# Allegro board rt1064_brkout_new_mem_layout.brd (continued)
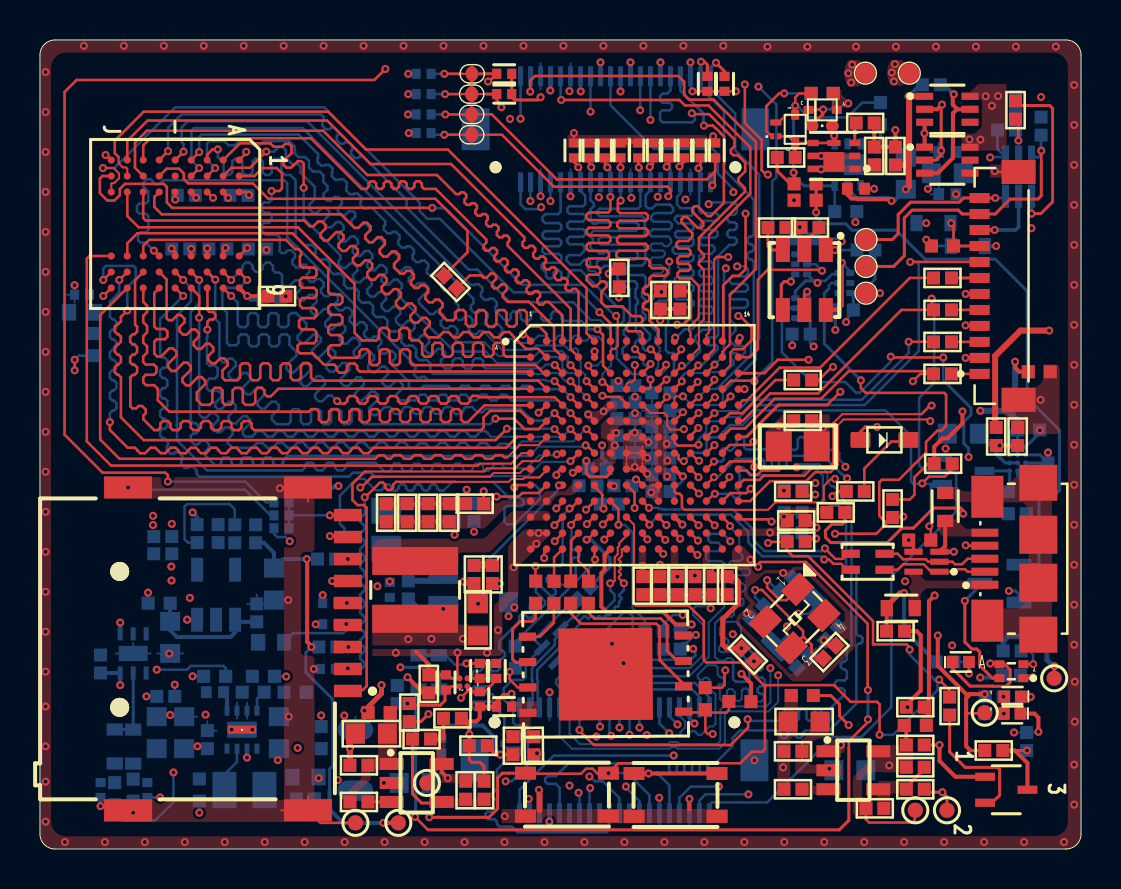
[diagram p0: board, top side]
## Routing (per net, layer and track width the routed paths; a pad name or vN(x,y) marks a point on that pad's centre or on a via; arc(x,y) is an arc through that point) (continued)
VDD_SOC_IN: length 2.2
  TOP w0.127: U7.G9 30.97,20.61 ; 31.03,19.8 31.03,19.81 U7.H9
  BOTTOM w0.09: 14.74,18.16 v1(14.94,18.16)
  BOTTOM w0.2: 14.74,18.16 14.63,18.05 C47.1 ; C42.1 31.36,20.96 v1(31.36,20.27)
  vias: v1(21.35,17.98) v1(28.83,20.82) v1(28.77,20.19) v1(31.4,19.43) v1(31.38,18.64) v1(36.99,21.18)
VDD_USB_3V: length 1.9
  TOP w0.127: U7.K8 30.15,18.23 29.89,18.49 v1(29.82,18.49)
  BOTTOM w0.2: v1(29.82,18.49) 29.77,18.44 29.77,18.32 C107.1 ; v1(23.45,11.64) C106.1 23.7,12.09 v1(23.73,12.09)
VDDA_1V1_CAP: length 0.4
  TOP w0.2: C56.1 31.9,13.68 31.76,13.82
  BOTTOM w0.2: 31.74,13.71 31.82,13.63 v1(31.9,13.63)
VDDA_2V5_CAP:
  vias: v1(30.16,14.15)
VDDA_ADC_3V3: length 1
  BOTTOM w0.102: C39.1 37.23,16.83 C1.1
  BOTTOM w0.2: 37.24,15.83 C39.1
  vias: v1(36.53,15.83) v1(37.23,16.63)
DBG_UART1_RXD: length 15.3
  TOP w0.127: 50.11,34.32 v1(50.11,34.93)
  TOP w0.147: 50.11,34.32 50.11,32.68 49.94,32.52 48.55,32.52 47.8,31.77 J4.11
  TOP w0.15: J4.11 46.15,31.77 45.96,31.96 43.65,31.96 43.25,31.57 43.25,29.68 42.72,29.14 TP4.1
  BOTTOM w0.127: 50.09,34.95 v1(50.11,34.93)
  BOTTOM w0.147: U16.6 49.97,34.61 50.09,34.73 R109.1
DBG_UART1_TXD: length 8.4
  TOP w0.147: v1(47.8,32.57) J4.12
  TOP w0.15: TP5.1 42.65,30.49 42.95,30.78 42.95,31.74 43.56,32.36 46,32.36 46.21,32.57 J4.12
  BOTTOM w0.147: v1(47.8,32.57) 48.23,32.57 U16.3
DC_5V_IN: length 5.9
  POWER w0.127: 47.38,9.63 47.39,9.63
  BOTTOM w0.127: v1(28.59,5.66) 28.5,5.75 J6.19 ; J6.23 v1(29.5,5.72) ; J6.31 31.5,6.64 v1(31.9,6.23)
  BOTTOM w0.18: J6.35 32.5,6.55 32.55,6.5 32.55,6.48 v1(32.75,6.28)
  BOTTOM w0.2: R3.1 48.05,8.58 v1(47.05,8.58)
  vias: v1(27.84,5.62) v1(30.37,5.7) v1(39.09,34.67) v1(39.09,34) v1(42.63,38.85) v1(42.73,38.4) v1(42.78,39.27)
DCDC_3V3: length 48.3
  TOP w0.127: R34.1 22.83,8.45 22.25,7.87 C31.1 21.66,7.87 U5.A1 21.39,7.89 v1(21.06,7.56) ; J4.2 v1(46.32,24.57) ; 46.35,6.79 47.25,6.79 TP9.1 ; R49.1 44.44,19.27 43.76,18.59 43.76,17.72 43.53,17.49 R48.1 ; 46.2,16.93 v1(46.2,16.77)
  TOP w0.131: v1(1.74,24.47) v1(1.74,23.95)
  TOP w0.147: R107.1 48.96,36.37 v1(48.96,35.44)
  TOP w0.15: FB1.1 40.27,16.37 40.15,16.24 39.62,16.24 39.31,15.93 39.31,15.6 39.57,15.33 42.41,15.33 43.06,15.98 43.07,15.98 43.14,16.05 43.7,16.05 44.71,17.06 46.07,17.06 46.2,16.93
  TOP w0.16: FB5.1 32.4,27.92 32.56,27.76 32.56,26.61 32.18,26.23 v1(31.88,26.23) ; R45.1 46.57,4.93
  TOP w0.2: v1(28.46,28.78) 28.7,29.02 FB4.1 ; 46.55,7.75 46.35,7.75 44.93,9.17 v1(44.93,10.68) ; 46.55,7.75 46.35,7.55 46.35,5.15 46.57,4.93 ; 46.55,7.75 v1(47.28,7.75) ; R49.1 44.75,20.12 45.17,20.55 45.42,20.55 46.16,21.29 v1(46.16,21.89)
  TOP w0.25: v1(17.09,8.2) 17.09,7.78 v1(16.24,6.92)
  POWER w0.15: v1(38.72,25.14) 38.72,26.34 38.71,26.34
  POWER w0.16: 46.88,30.16 46.89,30.17
  POWER w0.3: 46.89,30.17 v1(47.85,30.17) ; v1(46.32,24.57) 46.33,24.57 46.33,24.57
  BOTTOM w0.127: v1(12.5,15.39) 12.29,15.6 11.88,15.6 11.71,15.77 R77.1
  BOTTOM w0.131: v1(1.74,24.47) 1.94,24.68 L4.1
  BOTTOM w0.147: R56.1 v1(18.46,35.82) ; R57.1 v1(18.42,36.75) ; R59.1 v1(18.43,38.78) ; R58.1 v1(18.43,37.77)
  BOTTOM w0.15: R116.1 41.79,28.51 41.09,27.81 U21.6 40.7,27.66 C128.1 ; 40.72,26.95 C128.1 ; C128.1 40.7,26.85 40.34,26.49 v1(40.34,26.36) ; U22.6 38.54,26.4 C127.1 38.54,25.32 v1(38.72,25.14)
  BOTTOM w0.18: D12.A v1(47.85,30.17)
  vias: v1(11.9,4.45) v1(12.9,5.06) v1(16.89,13.14) v1(35.73,9.39) v1(38.02,31.11)
DCDC_3V3_PG: length 16
  SIG1 w0.127: v1(7.36,11.47) 7.25,11.36 7.25,4.94 7.45,4.73 10.2,4.73 v1(10.36,4.57) 10.36,4.67 11.24,5.56 12.94,5.56 v1(14.07,6.69)
  BOTTOM w0.127: U1.6 v1(10.36,4.57) ; R23.2 v1(14.07,6.69)
  BOTTOM w0.2: U4.3 v1(7.36,11.47)
DCDC_OUT: length 2.7
  BOTTOM w0.15: R40.2 20.74,15.86 20.75,15.86 v1(20.75,15.72) ; v1(20.18,12.01) 20.04,11.87
  BOTTOM w0.3: C67.1 19.08,11.87 20.04,11.87
  vias: v1(18.43,10.5) v1(19.59,10.51) v1(21.16,10.52)
ENET_INT: length 40.9
  TOP w0.127: 44.57,23.77 44.43,23.91 40.47,23.91 39.09,22.53 36.76,22.53 35.27,21.03 34.56,21.03 34.4,20.86 ; 44.57,23.77 44.05,23.77 v1(43.68,23.4) ; 44.57,23.77 R113.1 ; 34.37,20.86 34.15,20.63 34.15,20.62 ; U7.G13 34.15,20.62 ; 34.15,20.62 34.4,20.86 ; 34.4,20.86 34.39,20.86
  SIG1 w0.127: v1(35.45,2.74) 35.45,2.96 38.39,5.9 38.83,5.9 42.8,9.87 42.8,22.52 v1(43.68,23.4)
  BOTTOM w0.127: J6.38 33,2.43 33.31,2.74 v1(35.45,2.74)
ENET_RST: length 47.9
  TOP w0.127: U7.F14 34.97,21.43 35.17,21.43 36.54,22.79 38.93,22.79 43.11,26.97 R111.1 44.62,27.06 v1(44.62,27.54)
  BOTTOM w0.127: J6.40 33.5,2.2 33.63,2.33 36.39,2.33 39.66,5.6 41.11,5.6 42.61,7.1 42.61,13.64 45.81,16.84 45.81,16.94 45.85,16.98 45.85,18.73 45.63,18.95 44.24,18.95 43.99,19.2 43.99,22.57 44.75,23.32 44.75,27.41 v1(44.62,27.54)
FLASH_VCC: length 9.6
  TOP w0.127: 35.2,8.66 v1(35.1,8.76)
  TOP w0.2: R97.1 35.58,8.28 35.2,8.66 ; C113.1 22.84,4.72 v1(23.04,4.72) FB8.2
  POWER w0.2: v1(43.29,13.39) 43.04,13.64 42.67,13.64
  POWER w0.3: v1(35.1,8.76) 35.1,8.18
  BOTTOM w0.127: 38.78,18.3 v1(38.8,18.31)
  BOTTOM w0.2: v1(23.04,4.72) 22.71,5.04 22.71,5.61 22.15,6.17 20.3,6.17 20.09,5.96 L11.2
  BOTTOM w0.25: 38.78,18.3 38.39,18.3 38.14,18.05 FB7.1
  vias: v1(45.64,10.19)
FLEXSPI_CLK: length 5.7
  TOP w0.127: v1(26.5,17.03) 26.52,17.06 26.58,17.06 26.93,17.41 U7.L4 ; v1(24.8,14.15) 24.8,13.41 R105.1
  SIG1 w0.127: 26.54,17.06 26.52,17.06 v1(26.5,17.03)
  BOTTOM w0.127: v1(26.5,17.03) 26.15,16.69 26.15,14.28 26.03,14.15 v1(24.8,14.15)
FLEXSPI_DATA0: length 1.8
  TOP w0.127: 25.72,13.4 R100.2 25.73,14.58 U7.P3
FLEXSPI_DATA1: length 2.6
  TOP w0.127: U7.N4 26.57,15.43 26.57,15.06 R102.2
FLEXSPI_DATA2: length 1.8
  TOP w0.127: R103.2 27.45,13.89 26.95,14.4 U7.P4
FLEXSPI_DATA3: length 6.5
  TOP w0.127: U7.P5 27.75,14.51 v1(27.78,14.48)
  BOTTOM w0.127: R104.2 23.87,10.24 23.87,10.43 27.78,14.34 v1(27.78,14.48)
FLEXSPI_SS0: length 18.1
  TOP w0.127: v1(25.84,17.04) 25.86,17.06 25.86,17.06 26.15,17.35 U7.L3 ; v1(34.29,8.94) 34.26,8.9 34.26,8.21 34.12,8.07 R101.1
  SIG1 w0.127: v1(25.84,17.04) 25.84,17.06 26.22,17.45 28.75,17.45 29.72,16.48 29.72,13.71 30.84,12.58 30.84,9.07 30.97,8.94 v1(34.29,8.94)
GPANAIO: length 0.4
  TOP w0.09: U7.N10 31.77,15.81 31.78,15.8
  TOP w0.127: 31.78,15.8 32.04,15.54 v1(32.04,15.52)
GPIO_AD_B0_00: length 28.9
  TOP w0.09: R48.2 43.1,16.59 43.14,16.63 v1(43.19,16.63)
  TOP w0.127: v1(36.61,16.38) 36.5,16.5 35.08,16.5 34.97,16.61 U7.M14 ; 42.32,16.34 42,16.66 42,18.35 42.13,18.47 42.98,18.47 44.34,19.83 44.34,20.36 44.9,20.92 45.1,20.92 45.34,21.17 45.34,22.73 45.25,22.82 41.32,22.82 41.08,23.07 v1(41.08,23.45) ; v1(39.78,15.77) 41.85,15.77 R48.2
  TOP w0.15: 42.32,16.34 42.32,16.24
  POWER w0.147: v1(39.78,15.77) 39.75,15.74 39.49,15.74 39.26,15.97 39.26,16.24 39.02,16.47 38.69,16.47 38.4,16.18 36.86,16.18 36.66,16.38 v1(36.61,16.38)
  BOTTOM w0.127: U21.2 39.6,28.31 39.48,28.19 39.48,28.03
  BOTTOM w0.15: 39.48,28.03 39.25,27.8 39.25,25.28 v1(41.08,23.45)
GPIO_AD_B0_01: length 22.8
  TOP w0.127: v1(44.5,16.15) 44.58,16.08 R87.2 ; v1(32.22,19.4) 32.21,19.4 32.2,19.39 32.08,19.39 31.95,19.52 31.95,19.7 31.84,19.81 U7.H10 ; v1(44.15,18.29) 44.49,18.63 45.28,18.63 45.65,19 R49.2
  BOTTOM w0.127: 44.12,18.27 43.71,18.27 43.59,18.39 43.59,20.67 42.31,21.94 35.89,21.94 35.15,21.21 34.53,21.21 33.92,20.6 33.59,20.6 33.36,20.37 33.36,19.97 33.2,19.82 32.63,19.82 v1(32.22,19.4) ; 44.12,18.27 44.7,18.27 ; 44.12,18.27 v1(44.15,18.29) ; 44.7,18.27 Q5.2 ; 44.7,18.27 44.58,18.14 44.58,16.22 v1(44.5,16.15)
GPIO_AD_B0_02: length 0.6
  TOP w0.127: U7.M11 v1(32.96,16.2)
GPIO_AD_B0_03: length 43.9
  TOP w0.127: v1(42.57,24.63) 42.62,24.59 v1(45.2,24.59) ; v1(32.94,21.07) 32.55,20.67 U7.G11
  SIG1 w0.127: v1(46.47,19.61) 44.5,19.61 43.36,20.76 43.36,22.46 44.12,23.23 44.12,23.73 43.93,23.92 43.6,23.92 42.14,22.46 39.09,22.46 38.85,22.7 38.85,24.74 38.87,24.75 38.88,24.75 39.11,24.98 39.11,25.31 38.88,25.53 38.56,25.53 38.33,25.31 38.33,24.95 37.48,24.1 37.48,22.63 36.98,22.14 35.26,22.14 35.25,22.13 34.85,22.13 34.13,21.42 33.29,21.42 v1(32.94,21.07)
  BOTTOM w0.127: v1(45.2,24.59) 45.2,23.45 45.33,23.32 ; U22.2 37.25,27.06 37.13,26.94 37.13,24.85 38.62,23.36 40.3,23.36 40.83,22.84 41.03,22.84 42.57,24.38 v1(42.57,24.63)
  BOTTOM w0.15: v1(46.47,19.61) 46.47,20.05 46.23,20.29 46.23,21.37 46.59,21.72 46.59,22.07 45.33,23.32
GPIO_AD_B0_04: length 23.8
  TOP w0.102: JMP1.7 22.01,38.78
  TOP w0.127: U7.F11 v1(32.96,21.81)
  TOP w0.147: v1(22.42,38.4) 22.47,38.4 R72.2 22.01,38.78
  SIG1 w0.127: 24.67,33.99 30.63,28.02 30.63,25.69 30.95,25.37 30.95,24.83 30.94,24.83 30.94,23.34 30.96,23.32 30.96,23.32 31.19,23.09 31.46,23.09 31.52,23.03 31.53,23.03 31.76,22.8 31.76,22.5 32.01,22.24 32.47,22.24 32.9,21.81 v1(32.96,21.81) 33,21.81
  SIG1 w0.15: v1(22.42,38.4) 22.41,38.38 22.41,36.25 24.67,33.99
  BOTTOM w0.127: v1(32.96,21.81) 32.96,21.79
GPIO_AD_B0_05: length 37.7
  TOP w0.102: 22.36,37.77 JMP1.5
  TOP w0.127: 39.39,22.22 v1(40.05,22.87) ; U7.G14 34.97,20.63 35.36,20.63 ; v1(23.09,37.11) 23.09,37.22 22.86,37.46 R73.2
  TOP w0.147: R73.2 22.36,37.77
  TOP w0.15: 39.39,22.22 36.96,22.22 35.36,20.63
  SIG1 w0.127: v1(40.05,22.87) 40,22.82 39.44,22.82 39.12,23.15 39.12,24.63 39.36,24.88 39.36,25.41 38.99,25.79 38.76,25.79 37.05,27.5 37.05,28.46 36.95,28.56 36.95,28.88 37.05,28.97 37.05,34.15 32.6,38.6 24.58,38.6 v1(23.09,37.11)
GPIO_AD_B1_04: length 40.5
  TOP w0.09: U7.L12 33.37,17.43 33.38,17.43
  TOP w0.127: v1(35.41,6.5) 35.44,6.47 35.44,6.08 34.56,5.2 27.75,5.2 27.72,5.23 27.68,5.23 27,5.91 v1(27,5.96) ; 33.38,17.43 33.73,17.77 v1(33.77,17.77)
  BOTTOM w0.102: 39.17,17.5 39.17,18.67 38.83,19.01 38.41,19.01 38.09,18.69
  BOTTOM w0.11: 37.97,18.69 38.09,18.69
  BOTTOM w0.127: v1(33.77,17.77) 34.56,17.77 34.76,17.57 34.92,17.57 35.03,17.68 35.03,17.84 34.83,18.04 34.83,18.2 35.01,18.38 35.01,18.73 34.88,18.87 34.88,18.99 34.99,19.1 35.15,19.1 35.57,18.69 36.73,18.69 36.74,18.69 37.96,18.69 37.97,18.69 ; v1(35.41,6.5) 35.5,6.41 37.11,6.41 37.22,6.52 37.22,6.89 37.33,7 37.49,7 37.6,6.89 37.6,6.52 37.71,6.41 37.87,6.41 37.98,6.52 37.98,6.89 38.09,7 38.25,7 38.36,6.89 38.36,6.52 38.47,6.41 38.63,6.41 38.74,6.52 38.74,6.89 38.85,7 39.01,7 39.12,6.89 39.12,6.52 39.23,6.41 39.49,6.41 39.62,6.54 39.62,7.11 39.85,7.34 39.86,7.34 40.27,7.74 40.27,7.92 40.14,8.05 39.9,8.05 39.78,8.16 39.78,8.32 39.9,8.43 40.27,8.43 40.38,8.54 40.38,8.88 40.27,8.99 40.19,8.99 40.08,9.11 40.08,9.26 40.19,9.38 40.27,9.38 40.38,9.49 40.38,10 40.6,10.22 40.6,13.72 40.34,13.98 40.34,16.78 39.94,17.18 39.5,17.18 39.17,17.5 ; J6.13 v1(27,5.96)
GPIO_AD_B1_05: length 40.6
  TOP w0.127: v1(33.73,18.6) 33.73,18.6 33.35,18.23 U7.K12
  SIG1 w0.127: v1(40.39,18.54) 40.39,18.29 40.15,18.06 39.69,18.06 39.51,18.23 39.34,18.23 39.2,18.1 39.2,17.46 39.08,17.34 38.44,17.34 38.31,17.2 38.31,17.04 38.44,16.91 40.01,16.91 40.14,16.78 40.14,16.6 40.01,16.47 39.42,16.47 39.29,16.35 39.29,15.7 39.82,15.17 39.99,15.17 40.12,15.04 40.12,14.8 40,14.69 39.8,14.69 39.69,14.58 39.69,14.42 39.8,14.31 40,14.31 40.12,14.2 40.12,14.04 40,13.93 39.8,13.93 39.69,13.81 39.69,13.66 39.8,13.55 40,13.55 40.12,13.43 40.12,13.28 40,13.16 39.8,13.16 39.69,13.05 39.69,12.92 39.8,12.81 40.03,12.81 40.14,12.7 40.14,12.54 40.03,12.43 39.8,12.43 39.69,12.32 39.69,12.16 39.8,12.05 40.03,12.05 40.14,11.94 40.14,11.78 40.03,11.67 39.8,11.67 39.69,11.56 39.69,10.37 39.62,10.31 39.62,10.29 39.39,10.06 39.37,10.06 37.6,8.29 31.62,8.29 31.51,8.4 31.13,8.4 31.02,8.29 29.68,8.29 28.03,6.64 v1(28.03,6.12)
  BOTTOM w0.127: v1(40.39,18.54) 40.2,18.73 40.14,18.73 39.21,19.67 37.47,19.67 37.36,19.56 37.36,19.14 37.25,19.03 37.09,19.03 36.98,19.14 36.98,19.56 36.86,19.67 36.73,19.67 36.62,19.56 36.62,19.11 36.51,19 36.35,19 36.24,19.11 36.24,19.4 36.12,19.52 34.83,19.52 33.95,18.64 33.75,18.64 33.73,18.62 v1(33.73,18.6) ; v1(28.03,6.12) 28.02,6.12 28.02,6.38 28,6.4 J6.17
GPIO_AD_B1_06: length 40.3
  TOP w0.127: U7.J12 v1(33.73,19.38)
  SIG1 w0.127: v1(29,6.08) 29,7.21 29.81,8.03 37.77,8.03 40.65,10.91 40.65,11.09 40.52,11.22 40.5,11.22 40.39,11.33 40.39,11.48 40.5,11.6 40.67,11.6 40.78,11.71 40.78,11.87 40.56,12.09 40.56,12.25 40.78,12.47 40.78,12.63 40.67,12.74 40.5,12.74 40.39,12.85 40.39,13.01 40.5,13.12 40.67,13.12 40.78,13.23 40.78,13.39 40.58,13.59 40.58,13.79 40.78,13.99 40.78,14.15 40.67,14.26 40.5,14.26 40.39,14.37 40.39,14.53 40.5,14.64 40.67,14.64 40.78,14.76 40.78,14.91 40.6,15.09 40.6,15.34 40.78,15.52 40.78,15.68 40.67,15.79 40.5,15.79 40.39,15.9 40.39,16.06 40.5,16.17 40.67,16.17 40.78,16.28 40.78,16.44 40.6,16.62 40.6,16.86 40.78,17.04 40.78,17.2 40.67,17.31 40.5,17.31 40.39,17.42 40.39,17.58 40.5,17.69 40.67,17.69 40.78,17.8 40.78,18.79 40.45,19.12 v1(40.31,19.12)
  BOTTOM w0.127: v1(33.73,19.38) 34.12,19.38 34.21,19.47 34.21,19.63 34.07,19.77 34.07,19.93 34.18,20.04 34.34,20.04 34.44,19.94 34.6,19.94 34.86,20.2 34.86,20.49 34.97,20.6 35.13,20.6 35.24,20.49 35.24,20.1 35.35,19.99 35.53,19.99 35.54,19.98 35.86,19.98 35.87,19.99 36.29,19.99 36.4,20.1 36.4,20.5 36.51,20.61 36.67,20.61 36.78,20.5 36.78,20.08 36.89,19.96 37.05,19.96 37.16,20.08 37.16,20.5 37.27,20.61 37.43,20.61 37.54,20.5 37.54,20.08 37.65,19.96 37.81,19.96 37.92,20.08 37.92,20.5 38.03,20.61 38.19,20.61 38.3,20.5 38.3,20.08 38.42,19.96 38.57,19.96 38.69,20.08 38.69,20.5 38.8,20.61 38.95,20.61 39.07,20.5 39.07,20.08 39.18,19.96 39.84,19.96 40,19.81 40,19.49 40.31,19.18 v1(40.31,19.12) ; J6.21 v1(29,6.08)
GPIO_AD_B1_07: length 40.2
  TOP w0.102: v1(39.78,18.52) 39.58,18.52 39.23,18.16 39.23,17.47 39.1,17.34 36.8,17.34 36.43,16.97 32.26,16.97 32.13,17.11
  TOP w0.127: 32.13,17.11 32.13,17.66 32,17.78 31.85,17.78 31.75,17.88 U7.K10
  SIG1 w0.12: 29.8,6.93 30,6.93 30.11,7.04 30.11,7.18 30.06,7.24 29.95,7.24 29.81,7.38
  SIG1 w0.127: 29.8,6.93 29.39,6.93 29.29,6.83 29.29,6.64 29.45,6.47 29.9,6.47 30,6.38 30,6.38 v1(30,6.08) ; v1(39.78,18.52) 39.78,18.55 39.95,18.72 39.95,18.86 39.69,19.12 38.55,19.12 38.42,19.24 38.42,19.52 38.55,19.65 40.36,19.65 41.05,18.97 41.05,13.07 41.04,13.06 41.04,10.81 37.95,7.71 30.69,7.71 30.47,7.5 30.24,7.5 30.08,7.66 29.94,7.66 29.81,7.52 29.81,7.38
  BOTTOM w0.127: J6.25 v1(30,6.08)
GPIO_AD_B1_08: length 40.7
  TOP w0.127: U7.H13 34.15,19.84 34.52,20.21 35.54,20.21 v1(35.7,20.37)
  SIG1 w0.102: 40.64,20.21 36.06,20.21 35.9,20.37 v1(35.7,20.37)
  SIG1 w0.127: v1(31.49,5.79) 31.18,5.48 31.18,5.3 31.41,5.07 32.16,5.07 32.29,5.2 32.29,5.33 32.12,5.5 32.12,5.68 32.29,5.85 32.29,6.4 32.06,6.63 31.65,6.63 31.51,6.77 31.51,6.95 31.66,7.11 32.26,7.11 32.46,6.91 32.66,6.91 32.86,7.11 33.17,7.11 33.32,6.96 33.32,6.14 32.61,5.43 32.61,5.09 32.71,4.99 33.05,4.99 33.16,5.1 33.16,5.25 33.27,5.36 33.43,5.36 33.54,5.25 33.54,5.1 33.65,4.99 33.84,4.99 34.08,5.23 34.08,5.37 34.19,5.49 34.27,5.49 34.39,5.6 34.39,5.82 33.75,6.46 33.75,6.92 33.91,7.08 38.23,7.08 41.65,10.5 41.65,19.2 40.64,20.21
  BOTTOM w0.127: v1(31.49,5.79) 31,6.28 J6.29
GPIO_AD_B1_09: length 40.9
  TOP w0.127: v1(34.53,16.16) 34.53,16.23 34.15,16.61 U7.M13
  BOTTOM w0.102: 34.68,9.45 34.58,9.55 34.39,9.55 34.27,9.43 33.96,9.43 33.77,9.61 33.77,11.28 34.12,11.63 34.63,11.63 34.73,11.73 34.73,12.06 34.83,12.16 35.11,12.16 35.21,12.26 35.21,12.47 35.15,12.52 34.61,12.52 34.51,12.62 34.51,12.77 34.61,12.87 35.15,12.87 35.29,13.01 35.29,13.15 35.15,13.29 34.62,13.29 34.51,13.39 34.51,13.55 34.65,13.69 35.28,13.69 35.28,13.69 35.42,13.69 35.52,13.8 35.52,13.94 35.42,14.04 34.6,14.04 34.5,14.14 34.5,14.31 34.6,14.41 35.04,14.41 35.16,14.53 35.16,14.67 34.99,14.84 34.99,14.98 34.99,14.98 34.99,15.65 34.53,16.11 ; 35.09,10.6 35.09,11.11 34.84,11.37 34.3,11.37 34.03,11.1 34.03,10.7 34.18,10.55 34.33,10.55 34.46,10.42 34.46,10.28 34.37,10.19 34.08,10.19 33.98,10.09 33.98,9.95 34.08,9.85 34.74,9.85 ; 36.25,7.54 36.09,7.37 35.62,7.37 35.46,7.52 35.46,7.93 35.36,8.03 35.22,8.03 35.12,7.93 35.12,7.51 35.01,7.41 34.87,7.41 34.77,7.51 34.77,7.87 34.63,8.01 34.48,8.01 34.38,7.9 34.38,7.52 34.28,7.42 34.14,7.42 34.02,7.53 34.02,7.96 33.92,8.07 33.92,8.15 34.01,8.24 34.13,8.24 34.23,8.34 34.23,8.48 34.13,8.58 34.05,8.58 33.92,8.72 33.92,9.09 33.81,9.19 33.39,9.19 32.92,8.71 32.92,8.57 33.02,8.47 33.16,8.47 33.26,8.57 33.41,8.57 33.51,8.47 33.51,8.32 33.42,8.24 33.42,8.11 33.8,7.73 33.8,6.26 33.68,6.13 33.51,6.13 33.09,5.71 32.94,5.71 32.75,5.9 32.61,5.9 32.32,5.61 32.15,5.61 32.05,5.71 32.05,5.85 32.28,6.08 32.28,6.39 32.02,6.65 32.02,7.06 J6.33
  BOTTOM w0.127: 35.09,10.6 35.53,10.16 35.53,9.93 35.67,9.8 35.88,9.8 35.89,9.78 36.19,9.48 36.19,9.3 36.15,9.27 36.15,9.04 36.05,8.94 35.95,8.94 35.85,8.83 35.85,8.68 35.95,8.58 36.14,8.58 36.27,8.45 36.27,8.27 36.14,8.14 36.03,8.14 35.92,8.03 35.92,7.87 36.03,7.76 36.14,7.76 36.25,7.65 36.25,7.54 ; 34.53,16.11 v1(34.53,16.16) ; 34.74,9.85 34.94,9.65 35.19,9.65 35.32,9.53 35.32,9.28 35.34,9.26 35.34,9.23 35.48,9.08 35.48,8.93 35.49,8.92 35.49,8.5 35.37,8.37 34.81,8.37 34.68,8.5 34.68,9.45
GPIO_AD_B1_10: length 40.5
  TOP w0.127: U7.L13 34.55,17.81 35.34,17.81 v1(35.56,18.02)
  SIG1 w0.127: v1(33.57,12.04) 33.62,11.99 34.37,11.99 35.49,10.87 35.64,10.87 35.67,10.9 35.83,10.9 35.94,10.79 35.94,10.63 35.91,10.6 35.91,10.45 36.35,10.01 37.29,10.01 38.75,11.46 38.75,13.17 37.71,14.21 36.44,14.21 36.28,14.37 36.28,14.69 36.03,14.94 36.03,15.69 35.56,16.17 v1(35.56,18.02)
  BOTTOM w0.102: 33.46,12.14 32.82,12.14 32.69,12.02 32.69,11.7 33.21,11.18 33.21,9.73 32.53,9.05
  BOTTOM w0.127: v1(33.57,12.04) 33.46,12.14 ; J6.37 33,7.62 32.63,7.98 26.11,7.98 25.83,8.26 25.83,8.45 29.24,11.87 29.43,11.87 29.67,11.63 29.67,9.22 29.84,9.05 32.53,9.05
GPIO_AD_B1_11: length 40.5
  TOP w0.127: v1(35.74,19.11) 35.74,19.27 35.61,19.39 34.54,19.39 U7.J13
  SIG1 w0.127: v1(34.54,15.4) 34.16,15.78 33.64,15.78 33.62,15.8 33.6,15.8 33.37,16.03 33.37,16.39 35.75,18.77 35.75,19.1 v1(35.74,19.11)
  BOTTOM w0.102: 32.49,8.64 33.47,9.62 33.47,11.33 34.25,12.11 34.25,14.27 34.12,14.4 33.48,14.4 33.33,14.54 33.33,14.77 33.46,14.9 33.93,14.9
  BOTTOM w0.127: v1(34.54,15.4) 34.18,15.76 33.57,15.76 33.44,15.64 33.44,15.46 33.57,15.33 33.93,15.33 34.06,15.2 34.06,15.02 33.93,14.9 ; 32.49,8.64 30.36,8.64 30.2,8.8 29.98,8.8 29.82,8.64 29.7,8.64 29.53,8.81 29.35,8.81 29.18,8.64 28.76,8.64 28.62,8.78 28.62,8.91 28.79,9.07 28.79,9.26 28.62,9.42 28.63,9.43 28.63,9.51 29.27,10.15 29.27,10.59 28.91,10.95 28.73,10.95 28.24,10.45 28.24,10.43 28.24,10.43 28.24,10.11 28.24,10.1 28.24,8.84 28.11,8.71 27.93,8.71 27.81,8.84 27.81,9.68 27.7,9.78 27.56,9.78 27.37,9.59 27.37,8.75 27.24,8.62 27.06,8.62 26.94,8.75 26.94,8.92 26.86,9 26.75,9 26.28,8.53 26.28,8.42 26.39,8.31 27.36,8.31 27.52,8.47 27.71,8.47 27.87,8.31 28.2,8.31 28.37,8.47 28.55,8.47 28.72,8.31 32.78,8.31 33.5,7.59 J6.39
GPIO_AD_B1_12: length 40.8
  TOP w0.127: U7.H12 v1(33.75,20.2)
  SIG1 w0.102: 36.43,20.46 40.87,20.46
  SIG1 w0.127: v1(31.71,4.68) 34.15,4.68 36.24,6.77 38.41,6.77 41.93,10.29 41.93,19.4 40.87,20.46 ; 36.43,20.46 36.12,20.76 35.54,20.76 35.31,20.53 35.31,20.45 35.15,20.29 33.84,20.29 v1(33.75,20.2)
  BOTTOM w0.127: v1(31.71,4.68) 25.71,4.68 24,2.96 J6.2
GPIO_AD_B1_13: length 41
  TOP w0.127: v1(32.98,19.42) 32.94,19.47 32.89,19.47 U7.H11
  SIG1 w0.102: 35.58,19.96 40.43,19.96
  SIG1 w0.127: 35.58,19.96 34.05,19.96 33.87,19.78 33.33,19.78 v1(32.98,19.42) ; v1(24.46,2.51) 24.6,2.37 29.62,2.37 30.88,3.62 30.88,6.88 31.36,7.37 32.08,7.37 32.09,7.37 35.39,7.37 35.39,7.38 38.03,7.38 38.03,7.38 38.06,7.38 41.34,10.65 41.34,19.05 40.43,19.96
  BOTTOM w0.127: J6.4 24.5,2.47 v1(24.46,2.51)
GPIO_AD_B1_14: length 40.3
  TOP w0.127: U7.G12 v1(33.76,21.02)
  SIG1 w0.102: 41.08,20.71 36.82,20.71
  SIG1 w0.127: v1(33.76,21.02) 33.78,21.04 34.27,21.04 34.49,21.26 34.65,21.26 34.87,21.04 35.03,21.04 35.14,21.15 35.14,21.4 35.25,21.51 35.41,21.51 35.52,21.4 35.52,21.33 35.63,21.22 35.93,21.22 36.03,21.32 36.21,21.32 36.82,20.71 ; v1(25.49,1.38) 30.44,1.38 33.45,4.38 34.27,4.38 36.38,6.49 38.58,6.49 42.24,10.15 42.24,19.56 41.08,20.71
GPIO_AD_B1_15: length 40.4
  TOP w0.127: U7.J14 35.02,18.94 35.36,18.94 35.58,18.72 35.9,18.72 36.12,18.94 36.95,18.94 37.11,19.1 v1(37.86,19.1)
  BOTTOM w0.102: 37.86,19.15 37.96,19.25 38.99,19.25 39.4,18.84 39.4,18.36 39.62,18.14 39.72,18.14 39.73,18.13
  BOTTOM w0.127: v1(37.86,19.1) 37.86,19.15 ; 39.73,18.13 40.18,17.68 40.18,17.46 40.61,17.03 40.61,14.07 40.86,13.83 40.86,10.77 40.97,10.66 41.06,10.66 41.17,10.55 41.17,10.39 41.06,10.28 40.97,10.28 40.86,10.16 40.86,7.28 39.51,5.93 38.29,5.93 38.18,5.82 38.18,5.68 38.07,5.56 37.91,5.56 37.8,5.68 37.8,5.82 37.69,5.93 37.53,5.93 37.42,5.82 37.42,5.66 37.31,5.55 37.15,5.55 37.04,5.66 37.04,5.82 36.93,5.93 35.04,5.93 34.67,5.56 34.67,5.16 33.78,4.28 33.51,4.28 33.39,4.17 33.39,3.9 33.28,3.79 33.12,3.79 33.01,3.9 33.01,4.17 32.9,4.28 32.74,4.28 32.63,4.17 32.63,3.9 32.52,3.79 32.36,3.79 32.25,3.9 32.25,4.17 32.14,4.28 31.98,4.28 31.87,4.17 31.87,3.9 31.76,3.79 31.6,3.79 31.49,3.9 31.49,4.17 31.38,4.28 26.45,4.28 25.81,3.64 25.39,3.64 25.28,3.53 25.28,3.37 25.39,3.26 25.81,3.26 26,3.07 J6.10
GPIO_B0_00: length 21.5
  TOP w0.102: v1(29.77,24.21) 29.77,23.51 29.61,23.35 29.45,23.35 29.35,23.25 29.35,23.04
  TOP w0.127: U7.D7 29.35,23.04
  SIG1 w0.127: v1(29.77,24.21) 29.77,24.27 29.09,24.95 29.09,25.2 29.2,25.31 29.22,25.31 29.36,25.45 29.36,28.2 29.17,28.39 28.75,28.39 28.53,28.17 28.53,28.15 28.19,28.15 28.01,28.33 28.01,28.68 27.88,28.81 27.74,28.81 27.56,28.63 27.41,28.63 27.21,28.82 27.21,28.98 27.68,29.45 27.68,29.61 27.57,29.72 27.41,29.72 26.94,29.25 26.78,29.25 26.67,29.36 26.67,29.52 27.14,29.99 27.14,30.15 27.03,30.26 26.87,30.26 26.4,29.79 26.25,29.79 26.13,29.9 26.13,30.06 26.6,30.53 26.6,30.68 26.49,30.8 26.33,30.8 25.86,30.33 25.71,30.33 25.59,30.44 25.59,30.6 26.06,31.07 26.06,31.22 25.95,31.33 25.79,31.33 25.32,30.87 25.17,30.87 25.08,30.96 25.08,31.4 25.31,31.63 25.31,31.87 v1(25.08,32.11)
  BOTTOM w0.127: v1(25.08,32.11) 24.98,32.01 24.29,32.01 24.05,32.25 J5.39
GPIO_B0_01: length 22.7
  TOP w0.127: U7.E7 29.35,22.27 29,22.62 28.23,22.62 28.18,22.68 v1(28.15,22.68)
  SIG1 w0.127: v1(24.54,32.42) 24.54,30.89 24.7,30.73 24.7,30.4 24.33,30.03 24.33,29.87 24.45,29.76 24.6,29.76 25.05,30.21 25.21,30.21 25.32,30.1 25.32,29.94 24.87,29.49 24.87,29.33 24.98,29.22 25.14,29.22 25.59,29.67 25.75,29.67 25.86,29.56 25.86,29.4 25.41,28.95 25.41,28.8 25.52,28.68 25.68,28.68 26.13,29.14 26.29,29.14 26.4,29.02 26.4,28.87 25.95,28.41 25.95,28.26 26.06,28.14 26.22,28.14 26.67,28.6 26.83,28.6 26.94,28.48 26.94,28.33 26.49,27.88 26.49,27.72 26.6,27.61 26.76,27.61 27.21,28.06 27.37,28.06 27.48,27.95 27.48,27.79 27.03,27.34 27.03,27.18 27.14,27.07 27.3,27.07 27.75,27.52 27.91,27.52 28.44,26.98 28.44,26.51 28.53,26.42 28.53,22.95 28.28,22.7 28.17,22.7 v1(28.15,22.68)
  BOTTOM w0.127: v1(24.54,32.42) 24.54,33.35 J5.37
GPIO_B0_02: length 21.5
  TOP w0.102: U7.E8 30.54,21.81 31.24,21.81 31.39,21.67 31.39,21.15 31.55,20.98 32.2,20.98 v1(32.22,21.01)
  SIG1 w0.127: v1(32.22,21.01) 31.98,21.25 31.8,21.25 31.54,20.99 31.38,20.99 31.27,21.1 31.27,21.26 31.53,21.52 31.53,21.68 31.42,21.79 31.26,21.79 31,21.53 30.84,21.53 30.73,21.64 30.73,21.8 31,22.06 31,22.22 30.88,22.33 30.73,22.33 30.46,22.07 30.31,22.07 30.19,22.18 30.19,22.34 30.46,22.6 30.46,22.76 29.88,23.34 29.88,23.6 30.16,23.89 30.16,24.84 30.17,24.85 30.17,25.32 29.8,25.7 29.8,25.82 29.91,25.93 30.04,25.93 30.15,26.05 30.15,26.2 30.04,26.32 29.91,26.32 29.8,26.43 29.8,28.25 25.63,32.42 v1(25.55,32.42)
  BOTTOM w0.127: J5.33 25.55,33.35 v1(25.55,32.42)
GPIO_B0_03: length 21.5
  TOP w0.127: v1(30.55,23.49) 30.55,23.1 30.55,23.09 30.48,23.03 30.17,23.03 U7.D8
  BOTTOM w0.127: v1(30.55,23.49) 30.27,23.76 29.65,23.76 28.86,24.56 28.86,26.06 29.22,26.42 29.22,26.57 29.22,26.58 29.22,26.99 29.1,27.12 28.89,27.12 27.06,28.95 26.58,28.95 26.47,28.84 26.47,28.66 26.35,28.54 26.2,28.54 26.08,28.66 26.08,28.84 25.97,28.95 25.82,28.95 25.7,28.84 25.7,28.66 25.59,28.54 25.43,28.54 25.32,28.66 25.32,28.83 25.1,29.05 25.1,29.22 25.21,29.33 25.96,29.33 26.08,29.46 26.08,29.66 25.97,29.77 25.25,29.77 25.14,29.89 25.14,30.04 25.25,30.16 25.97,30.16 26.08,30.27 26.08,30.41 25.97,30.53 25.26,30.53 25.15,30.64 25.15,30.8 25.26,30.91 25.97,30.91 26.08,31.02 26.08,31.2 25.97,31.32 25.27,31.32 25.15,31.44 25.15,31.62 25.29,31.76 25.92,31.76 26.05,31.89 J5.31
GPIO_B0_04: length 21.5
  TOP w0.127: v1(30.55,24.27) 30.55,24.21 U7.C8 ; R60.2 26.72,34.37 26.94,34.15 v1(26.94,34.1)
  BOTTOM w0.102: v1(30.55,24.27) 30.45,24.17 30.31,24.17 30.19,24.29 30.19,24.44 30.2,24.45 30.2,24.48 ; 28.71,27.88 28.6,27.88 28.5,27.98 28.5,28.27 28.4,28.37 28.11,28.37 28.02,28.46 28.02,28.63 27.74,28.91 27.51,28.91 27.41,29.01 27.41,29.12 27.51,29.22 27.54,29.22
  BOTTOM w0.11: 27.44,29.49 27.54,29.4 27.54,29.22
  BOTTOM w0.127: 27.44,29.49 27.26,29.49 27,29.24 26.55,29.24 26.35,29.44 26.35,29.6 26.46,29.71 27.03,29.71 27.25,29.93 27.25,30.15 27.15,30.25 26.5,30.25 26.39,30.36 26.39,30.52 26.5,30.63 27.17,30.63 27.29,30.74 27.29,30.9 27.17,31.01 26.5,31.01 26.39,31.12 26.39,31.28 26.5,31.39 27.17,31.39 27.29,31.5 27.29,31.66 27.17,31.77 26.5,31.77 26.39,31.89 26.39,32.04 26.5,32.15 27.17,32.15 27.29,32.27 27.29,32.68 27.05,32.92 J5.27 27.05,33.99 v1(26.94,34.1) ; 30.2,24.48 30.07,24.6 29.33,24.6 29.15,24.78 29.15,25.03 29.45,25.33 29.45,25.51 29.21,25.75 29.21,25.93 29.51,26.23 29.51,28.01 29.38,28.13 28.96,28.13 28.71,27.88